# Altium PCB FIT_TDC_ADC.PcbDoc (part 8 of 10)
Units mm, origin at the board's own origin, x right, y up, seen from the top; angles counter-clockwise.
Board outline 89.38 x 69 mm, 8 copper layers (Top Layer, GND1, SIGNAL2, POWER3, POWER4, SIGNAL5, GND6, Bottom Layer), stack 1.028 mm thick; 495 components, 463 nets, 2013 pads, 1239 vias.
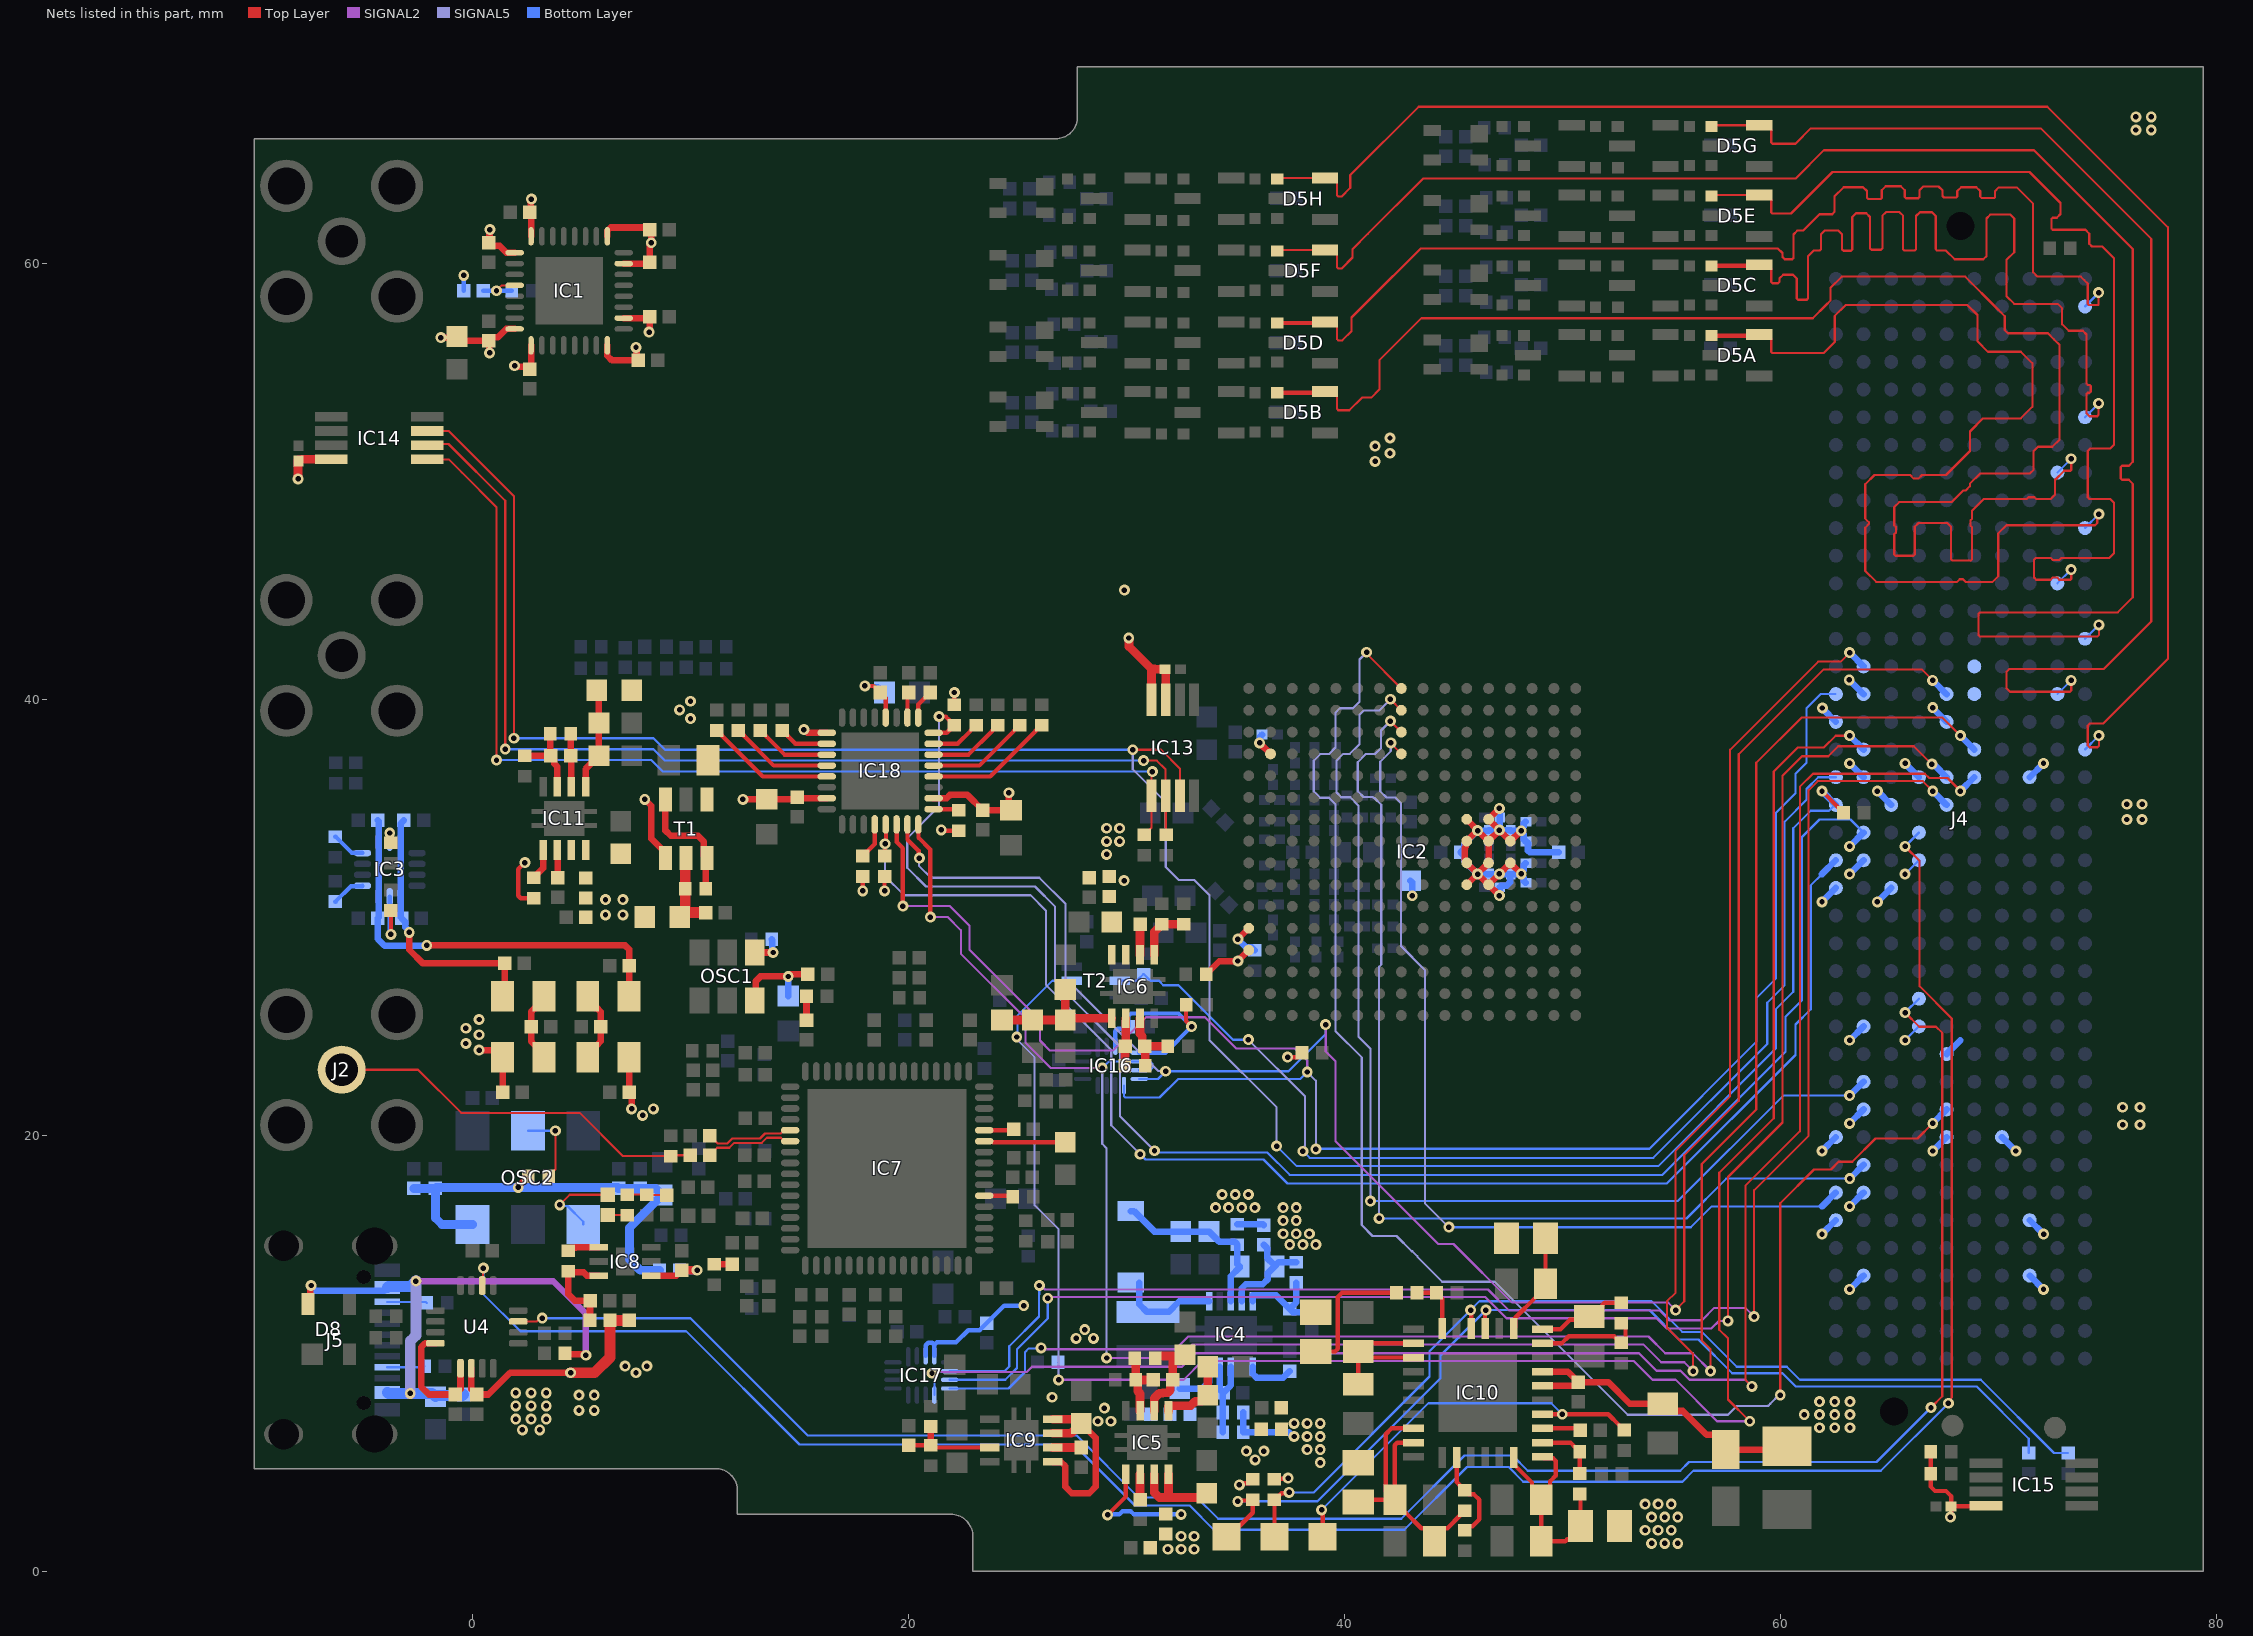
[diagram p14: the nets of this part, all layers, seen from the top]

## Via types
v1: diameter 0.5, hole 0.25, Top Layer to Bottom Layer, tented both sides, 1171 vias
v2: diameter 0.5, hole 0.25, Top Layer to Bottom Layer, tented bottom, 39 vias
v3: diameter 0.5, hole 0.25, Top Layer to Bottom Layer, 29 vias

## Nets (pads, with @x,y where several pads share a name; then routed paths per layer and width w, separated by ;. In a path a pad name is that pad's centre, name@x,y a point inside that pad or via, vN(x,y) a via of type N, cw(c..) or ccw(c..) an arc to the next point about the centre after c; other vN are vias at no path point) (continued)
GTY_RX_CH_P1: D5A.2 J4.a10 L25A.2 | length 49.4
  Top Layer w0.1: D5A.2@59.02,56.719 59.37,56.719 59.57,56.519 59.57,55.928 59.628,55.869 61.98,55.869 62.485,56.374 62.485,57.574 62.985,58.074 68.568,58.074 69.029,57.613 69.029,56.413 69.509,55.933 71.016,55.933 71.548,55.401 71.548,53.403 71.019,52.874 69.285,52.874 68.685,52.274 68.685,51.374 67.585,50.274 66.485,50.274 66.32,50.11 66.112,50.11 65.947,50.274 64.31,50.274 63.885,49.849 63.885,48.274 64.05,48.109 64.05,48.026 63.885,47.86 63.885,45.871 64.382,45.374 68.097,45.374 68.217,45.494 68.365,45.494 68.485,45.374 69.725,45.374 69.985,45.634 69.985,47.599 70.36,47.974 74.426,47.974 74.523,48.071 74.523,48.403 v1(74.6,48.479)
  Top Layer w0.2: L25A.2@56.712,56.669 58.97,56.669 D5A.2@59.02,56.719
  Bottom Layer w0.1: J4.a10@73.965,47.844 v1(74.6,48.479)
GTY_RX_CH_P2: D5B.2 J4.b8 L25B.2 | length 74
  Top Layer w0.1: D5B.2@39.1,54.1 39.45,54.1 39.65,53.9 39.65,53.309 39.709,53.25 40.219,53.25 40.796,53.826 41.226,53.826 41.597,54.197 41.597,55.542 43.525,57.469 61.48,57.469 62.085,58.074 62.285,58.274 62.285,58.857 62.802,59.374 68.468,59.374 69.926,57.916 70.126,57.716 70.285,57.557 70.285,56.921 70.431,56.774 72.268,56.774 72.533,56.509 ; 72.535,56.507 72.792,56.25 72.792,51.899 72.468,51.574 71.805,51.574 71.605,51.374 71.605,50.523 71.43,50.347 69.151,50.347 68.681,49.878 68.681,49.763 68.488,49.569 68.373,49.569 67.835,49.031 65.437,49.031 65.213,48.806 65.213,47.974 65.296,47.89 65.296,47.64 65.213,47.556 65.213,46.627 65.271,46.568 66.092,46.568 66.151,46.627 66.151,47.899 66.327,48.074 67.639,48.074 67.815,47.899 67.815,46.416 67.873,46.357 68.726,46.357 68.785,46.416 68.785,47.874 68.717,47.942 68.717,48.206 68.785,48.274 68.785,48.646 69.313,49.174 71.285,49.174 71.369,49.258 71.642,49.258 71.726,49.174 72.385,49.174 72.585,49.374 72.585,50.049 73.011,50.474 73.285,50.474 73.33,50.519 v1(73.33,51.019)
  Top Layer w0.2: L25B.2@36.916,54.05 39.05,54.05 D5B.2@39.1,54.1
  Bottom Layer w0.1: J4.b8@72.695,50.384 v1(73.33,51.019)
GTY_RX_CH_P3: D5C.2 J4.a6 L25C.2 | length 45.7
  Top Layer w0.1: D5C.2@59.02,59.919 59.37,59.919 59.57,59.719 59.57,59.128 59.628,59.069 59.886,59.069 59.945,59.128 59.945,59.29 60.121,59.465 60.568,59.465 60.744,59.29 60.744,58.372 60.802,58.314 61.198,58.314 61.257,58.372 61.257,60.305 61.526,60.574 61.792,60.574 61.851,60.633 61.851,61.314 62.026,61.49 62.645,61.49 62.821,61.314 62.821,60.621 62.88,60.562 63.226,60.562 63.285,60.621 63.285,62.108 63.461,62.284 63.929,62.284 64.105,62.108 64.105,60.663 64.163,60.604 64.611,60.604 64.67,60.663 64.67,62.161 64.846,62.337 65.446,62.337 65.621,62.161 65.621,60.63 65.68,60.571 66.156,60.571 66.215,60.63 66.215,62.156 66.391,62.332 66.944,62.332 67.12,62.156 67.12,60.636 67.178,60.578 67.581,60.578 67.984,60.174 69.301,60.174 69.442,60.316 69.442,62.045 69.618,62.221 70.543,62.221 70.718,62.045 70.718,60.496 70.364,60.142 70.364,58.475 70.716,58.124 72.709,58.124 72.914,57.918 72.914,57.194 73.213,56.896 73.858,56.896 74.034,56.72 74.034,54.468 74.093,54.409 74.168,54.409 74.227,54.351 74.227,54.107 74.168,54.048 74.093,54.048 74.034,53.989 74.034,53.107 74.167,52.974 74.526,52.974 74.585,53.033 v1(74.585,53.559)
  Top Layer w0.2: L25C.2@56.836,59.869 58.97,59.869 D5C.2@59.02,59.919
  Bottom Layer w0.1: J4.a6@73.965,52.924 74.585,53.544 v1(74.585,53.559)
GTY_RX_CH_P4: D5D.2 J4.a2 L25D.2 | length 52.4
  Top Layer w0.1: D5D.2@39.1,57.3 39.45,57.3 39.65,57.1 39.65,56.509 39.709,56.45 39.895,56.45 40.319,56.874 40.319,57.497 40.988,58.165 43.492,60.669 59.873,60.669 60.085,60.457 60.085,60.274 60.185,60.174 60.533,60.174 60.591,60.233 60.591,61.309 60.767,61.485 61.028,61.485 61.782,62.239 62.367,62.239 62.476,62.349 62.476,63.058 62.893,63.474 63.784,63.474 63.96,63.299 63.96,62.99 64.018,62.931 64.582,62.931 64.641,62.99 64.641,63.343 64.816,63.519 65.516,63.519 65.691,63.343 65.691,63.026 65.75,62.968 66.314,62.968 66.372,63.026 66.372,63.331 66.548,63.506 67.247,63.506 67.423,63.331 67.423,63.075 67.497,63.001 68.061,63.001 68.104,63.045 68.104,63.299 68.279,63.475 68.979,63.475 69.154,63.299 69.154,63.051 69.228,62.977 69.792,62.977 69.835,63.02 69.835,63.292 70.011,63.468 70.834,63.468 71.585,62.717 71.585,59.574 71.785,59.374 73.768,59.374 73.926,59.216 74.085,59.057 74.085,58.133 74.143,58.074 74.585,58.074 v1(74.585,58.639)
  Top Layer w0.2: L25D.2@36.916,57.25 39.05,57.25 D5D.2@39.1,57.3
  Bottom Layer w0.1: J4.a2@73.965,58.004 74.585,58.624 v1(74.585,58.639)
GTY_RX_CH_P5: D5E.2 J4.b12 L25E.2 | length 46.7
  Top Layer w0.1: L25E.2@56.836,63.069 56.886,63.119 D5E.2@59.02,63.119 59.37,63.119 59.57,62.919 59.57,62.328 59.628,62.269 60.48,62.269 62.385,64.174 71.42,64.174 72.84,62.755 72.84,62.249 72.664,62.073 72.478,62.073 72.42,62.015 72.42,61.58 72.478,61.521 73.984,61.521 74.159,61.346 74.159,60.883 74.284,60.758 74.751,60.758 75.295,60.213 75.295,51.667 75.119,51.491 74.202,51.491 74.085,51.374 74.085,49.257 74.168,49.174 75.119,49.174 75.295,48.999 75.295,46.684 75.085,46.474 72.885,46.474 72.785,46.374 72.485,46.374 72.385,46.474 71.712,46.474 71.626,46.388 71.626,45.576 71.728,45.474 72.385,45.474 72.485,45.574 72.685,45.574 72.785,45.474 73.285,45.474 73.33,45.519 v1(73.33,45.939)
  Bottom Layer w0.1: J4.b12@72.695,45.304 v1(73.33,45.939)
GTY_RX_CH_P6: D5F.2 J4.a14 L25F.2 | length 76.4
  Top Layer w0.1: L25F.2@36.916,60.55 36.966,60.6 D5F.2@39.1,60.6 39.45,60.6 39.65,60.4 39.65,59.809 39.709,59.75 39.865,59.75 40.365,60.25 40.365,60.638 41.063,61.335 43.596,63.869 60.68,63.869 61.985,65.174 71.622,65.174 76.153,60.643 76.153,50.879 75.978,50.703 75.659,50.703 75.6,50.645 75.6,50.115 75.659,50.056 75.965,50.056 76.153,49.868 76.153,44.666 75.462,43.974 69.139,43.974 69.08,43.916 69.08,42.933 69.139,42.874 74.541,42.874 74.6,42.933 v1(74.6,43.399)
  Bottom Layer w0.1: J4.a14@73.965,42.764 v1(74.6,43.399)
GTY_RX_CH_P7: D5G.2 J4.b16 L25G.2 | length 53.6
  Top Layer w0.1: L25G.2@56.836,66.269 56.886,66.319 D5G.2@59.02,66.319 59.37,66.319 59.57,66.119 59.57,65.528 59.628,65.469 60.68,65.469 61.385,66.174 71.938,66.174 77.006,61.107 77.006,43.559 74.821,41.374 70.494,41.374 70.369,41.25 70.369,40.48 70.518,40.331 73.271,40.331 73.33,40.39 v1(73.33,40.859)
  Bottom Layer w0.1: J4.b16@72.695,40.224 v1(73.33,40.859)
GTY_RX_CH_P8: D5H.2 J4.a18 L25H.2 | length 73.5
  Top Layer w0.1: L25H.2@36.916,63.85 36.966,63.9 D5H.2@39.1,63.9 39.45,63.9 39.65,63.7 39.65,63.109 39.709,63.05 39.865,63.05 40.265,63.45 40.265,64.038 43.396,67.169 72.231,67.169 77.763,61.637 77.763,41.832 74.805,38.874 74.185,38.874 74.085,38.774 74.085,37.874 74.171,37.788 74.541,37.788 74.6,37.847 v1(74.6,38.319)
  Bottom Layer w0.1: J4.a18@73.965,37.684 v1(74.6,38.319)
HA14_N: J4.j16 | length 0.9
  Bottom Layer w0.3: v1(63.15,40.879) J4.j16@63.805,40.224
HA14_P: IC16.6 IC16.7 IC18.16 J4.j15 | length 99.3
  Top Layer w0.1: v1(55.985,9.174) 55.985,9.974 54.785,11.174 54.785,12.374 55.185,12.774 55.185,19.274 57.685,21.774 57.685,37.674 61.725,41.715 62.755,41.715 v1(63.17,42.129)
  Top Layer w0.2: IC18.16@20.45,34.25 20.456,34.244 20.456,33.644 21,33.1 v1(21,30)
  SIGNAL2 w0.1: v1(21,30) 21.8,30 22.4,29.4 22.4,28.317 25.364,25.353 25.364,24.236 26.526,23.074 v1(28.885,23.074) ; v1(29.085,9.774) 32.385,9.774 33.009,10.398 53.702,10.398 54.522,9.578 55.581,9.578 v1(55.985,9.174)
  SIGNAL5 w0.1: v1(28.885,23.074) 28.885,19.6 29.085,19.4 v1(29.085,9.774)
  Bottom Layer w0.1: v1(28.885,23.074) 29.185,23.374 IC16.6@30.585,23.374 31.085,23.374 31.185,23.274 31.185,23.074 31.085,22.974 IC16.7@30.585,22.974
  Bottom Layer w0.3: v1(63.17,42.129) J4.j15@63.805,41.494
HA15_N: J4.f17 | length 0.9
  Bottom Layer w0.3: v1(66.98,39.608) 66.98,39.589 J4.f17@67.615,38.954
HA15_P: IC16.8 IC18.15 J4.f16 | length 91.8
  Top Layer w0.1: v1(55.185,11.974) 55.585,12.374 55.585,19.074 58.085,21.574 58.085,37.474 61.973,41.362 66.468,41.362 v1(66.973,40.857)
  Top Layer w0.2: IC18.15@19.95,34.25 19.956,34.244 19.956,33.544 20.461,33.039 20.461,32.739 v1(20.5,32.7)
  SIGNAL2 w0.1: v1(39.135,25.065) 39.135,23.834 39.585,23.384 39.585,19.715 44.3,15 45,15 47.686,12.314 54.845,12.314 v1(55.185,11.974)
  SIGNAL5 w0.1: v1(20.5,32.7) 20.476,32.676 20.476,32.359 21.034,31.8 26,31.8 27.197,30.603 27.197,27.197 31.452,22.942 31.778,22.942 v1(31.793,22.927)
  Bottom Layer w0.1: IC16.8@30.585,22.574 31.441,22.574 v1(31.793,22.927) 37.427,22.927 39.135,24.635 v1(39.135,25.065)
  Bottom Layer w0.3: v1(66.973,40.857) 66.982,40.857 J4.f16@67.615,40.224
HA16_N: J4.e16
HA16_P: J4.e15
HA17_CC_N: J4.k17 | length 0.9
  Bottom Layer w0.3: v1(61.92,39.589) 61.92,39.569 J4.k17@62.535,38.954
HA17_CC_P: IC16.9 IC18.14 J4.k16 | length 81.5
  Top Layer w0.2: IC18.14@19.45,34.25 19.456,34.244 19.456,33.444 19.743,33.157 v1(19.743,30.5)
  SIGNAL2 w0.1: v1(19.743,30.5) 21.9,30.5 22.8,29.6 22.8,28.5 26.027,25.273 26.027,24.336 26.488,23.874 29.374,23.874 30.9,25.4 33.6,25.4 35.026,23.974 37.726,23.974 38.287,23.413 v1(38.287,22.894)
  SIGNAL5 w0.1: v1(38.287,22.894) 38.685,22.496 v1(38.685,19.354)
  Bottom Layer w0.1: IC16.9@29.885,22.274 29.885,21.779 29.943,21.72 31.515,21.72 32.369,22.574 37.968,22.574 v1(38.287,22.894) ; v1(38.685,19.354) 38.706,19.374 53.985,19.374 58.885,24.274 58.885,26.274 59.785,27.174 59.785,34.774 60.685,35.674 60.685,36.574 61.185,37.074 61.185,39.574 61.835,40.224 J4.k16@62.521,40.224
HA18_N: J4.j19 | length 0.9
  Bottom Layer w0.3: v2(63.17,37.049) J4.j19@63.805,36.414
HA18_P: J4.j18 R93.2 T2.5 | length 91.2
  Top Layer w0.1: v1(58.585,6.874) 57.585,7.874 57.585,10.674 57.185,11.074 57.185,18.274 59.685,20.774 59.685,36.674 60.785,37.774 61.985,37.774 62.53,38.319 v1(63.17,38.319)
  SIGNAL2 w0.1: v1(26.885,8.774) 32.62,8.774 33.479,9.633 53.267,9.633 54.126,8.774 55.185,8.774 57.085,6.874 v1(58.585,6.874)
  SIGNAL5 w0.1: v1(24.964,24.499) 24.964,24.395 25.785,23.574 25.785,16.774 26.885,15.674 v1(26.885,8.774)
  Bottom Layer w0.1: v1(24.964,24.499) 24.991,24.526 24.991,25.469 26.597,27.074 T2.5@27.485,27.074 ; R93.2@26.855,9.574 26.885,9.544 v1(26.885,8.774)
  Bottom Layer w0.3: v1(63.17,38.319) J4.j18@63.805,37.684
HA19_N: IC17.6 J4.f20 | length 73.1
  Top Layer w0.1: v1(58.785,11.674) 58.785,17.474 61.285,19.974 61.285,35.815 61.705,36.236 66.523,36.236 v1(66.98,35.779)
  SIGNAL2 w0.1: v1(26,13.1) 26.074,13.1 26.259,12.915 46.58,12.915 47.537,11.959 54.441,11.959 54.89,11.51 56.396,11.51 56.96,12.074 58.385,12.074 v1(58.785,11.674)
  Bottom Layer w0.1: IC17.6@21.885,9.174 24.409,9.174 24.621,9.386 24.621,10.31 25.985,11.674 25.985,12.681 26,12.696 v1(26,13.1)
  Bottom Layer w0.3: v1(66.98,35.779) J4.f20@67.615,35.144
HA19_P: IC17.7 J4.f19 | length 73.8
  Top Layer w0.1: v1(57.585,11.474) 57.585,18.074 60.085,20.574 60.085,36.474 60.985,37.374 62.185,37.374 62.645,37.834 66.114,37.834 v1(66.936,37.012)
  SIGNAL2 w0.1: v1(26.385,12.515) 26.444,12.574 46.45,12.574 47.425,11.6 54.3,11.6 54.766,11.134 56.834,11.134 57.174,11.474 v1(57.585,11.474)
  Bottom Layer w0.1: IC17.7@21.885,8.774 24.434,8.774 24.976,9.316 24.976,10.18 26.385,11.589 v1(26.385,12.515)
  Bottom Layer w0.3: v1(66.936,37.012) 66.974,36.974 67.056,36.974 J4.f19@67.615,36.414
HA20_N: IC17.9 J4.e19 | length 77.2
  Top Layer w0.1: v1(58.685,8.474) 58.385,8.774 58.385,17.674 60.885,20.174 60.885,35.974 61.485,36.574 66.618,36.574 66.818,36.374 67.655,36.374 v1(68.25,35.779)
  SIGNAL2 w0.1: v1(21.076,9.074) 21.139,9.138 25.43,9.138 25.667,9.374 32.54,9.374 33.16,9.994 53.506,9.994 54.312,9.188 55.406,9.188 55.819,8.774 58.385,8.774 v1(58.685,8.474)
  Bottom Layer w0.1: v1(21.076,9.074) 21.076,8.983 21.185,8.874 IC17.9@21.185,8.074
  Bottom Layer w0.3: v1(68.25,35.779) J4.e19@68.885,36.414
HA20_P: IC17.8 J4.e18 | length 77.7
  Top Layer w0.1: v1(56.785,9.174) 56.785,10.174 56.385,10.574 56.385,18.674 58.885,21.174 58.885,37.074 60.967,39.157 67.412,39.157 v1(68.25,38.319)
  SIGNAL2 w0.1: v1(26.085,10.234) 26.145,10.174 32.25,10.174 32.835,10.759 53.941,10.759 54.711,9.989 55.97,9.989 v1(56.785,9.174)
  Bottom Layer w0.1: IC17.8@21.885,8.374 24.585,8.374 25.342,9.132 25.342,10.044 25.513,10.215 26.066,10.215 v1(26.085,10.234)
  Bottom Layer w0.3: v1(68.25,38.319) J4.e18@68.885,37.684
HA21_N: IC13.3 IC14.3 J4.k20 R78.1 | length 110.7
  Top Layer w0.1: IC14.3@-2.08,52.294 -2.075,52.3 -1.1,52.3 1.9,49.3 v1(1.9,38.2) ; v1(30.285,37.674) 31.585,37.674 32.445,36.814 IC13.3@32.445,35.569
  Top Layer w0.2: v1(61.9,35.779) 62.695,34.984 62.885,34.794 R78.1@62.885,34.774
  SIGNAL5 w0.1: v1(30.285,37.674) 30.285,36.774 31.795,35.264 31.795,32.296 32.391,31.7 33.1,31.7 33.805,30.995 33.805,24.354 36.885,21.274 v1(36.885,19.492)
  Bottom Layer w0.1: v1(1.9,38.2) 8.3,38.2 8.826,37.674 v1(30.285,37.674) ; v1(36.885,19.492) 37.803,18.574 54.385,18.574 59.785,23.974 59.785,25.774 60.585,26.574 60.585,34.074 61.385,34.874 62.223,34.874 62.493,35.144 J4.k20@62.535,35.144
  Bottom Layer w0.3: v1(61.9,35.779) J4.k20@62.535,35.144
HA21_P: J4.k19 R94.2 T2.2 | length 51.1
  SIGNAL5 w0.1: v1(35.585,24.374) 38.185,21.774 38.185,19.518 38.169,19.502 38.169,19.336 v1(38.092,19.26)
  Bottom Layer w0.1: T2.2@29.685,27.074 30.466,27.074 30.525,27.133 30.525,27.134 30.765,27.374 R94.2@30.785,27.374 30.805,27.374 31.045,27.134 31.045,27.133 31.103,27.074 31.485,27.074 31.685,26.874 32.385,26.874 34.885,24.374 v1(35.585,24.374) ; v1(38.092,19.26) 38.398,18.954 54.164,18.954 59.385,24.174 59.385,26.074 60.185,26.874 60.185,34.374 61.185,35.374 61.185,35.874 61.725,36.414 J4.k19@62.535,36.414
HA22_N: J4.j22 | length 0.9
  Bottom Layer w0.3: v2(63.17,31.969) J4.j22@63.805,32.604
HA22_P: IC18.24 J4.j21 R4.1 | length 76.3
  Top Layer w0.2: IC18.24@21.15,38.45 21.75,38.45 21.89,38.59 21.89,38.61 R4.1@22.08,38.8 ; v1(21.4,39.2) 21.7,39.2 21.89,39.01 21.89,38.99 R4.1@22.08,38.8 ; R4.1@22.1,38.8 R4.1@22.08,38.8
  SIGNAL5 w0.1: v1(21.4,39.2) 21.4,35.079 19.94,33.619 19.94,32.26 20.8,31.4 25.8,31.4 26.726,30.474 26.726,27.04 29.7,24.065 29.7,20.862 v1(31.283,19.279)
  Bottom Layer w0.1: v1(31.283,19.279) 31.36,19.203 31.533,19.203 31.542,19.194 36.465,19.194 37.485,18.174 54.585,18.174 60.218,23.807 60.218,25.414 60.985,26.18 60.985,33.674 61.785,34.474 63.205,34.474 J4.j21@63.805,33.874
  Bottom Layer w0.3: v1(63.17,33.239) J4.j21@63.805,33.874
HA23_N: J4.k23 | length 0.9
  Bottom Layer w0.3: v2(61.9,30.699) J4.k23@62.535,31.334
HA23_P: IC18.13 J4.k22 R3.1 | length 66.7
  Top Layer w0.2: R3.1@18.9,32.8 18.922,32.822 v1(18.922,33.36) 18.969,33.407 18.969,34.231 IC18.13@18.95,34.25
  SIGNAL5 w0.1: v1(18.922,33.36) 18.922,31.878 19.8,31 25.6,31 26.3,30.3 26.3,26.9 29.3,23.9 29.3,20.443 v1(30.625,19.118)
  Bottom Layer w0.1: v1(30.625,19.118) 30.63,19.118 30.869,18.879 36.28,18.879 37.385,17.774 54.785,17.774 60.685,23.674 60.685,25.074 61.385,25.774 61.385,31.454 61.9,31.969
  Bottom Layer w0.3: 61.9,31.969 J4.k22@62.535,32.604
HB07_N: J4.j28 | length 0.9
  Bottom Layer w0.3: v2(63.17,24.349) J4.j28@63.805,24.984
HB08_N: J4.f29 | length 0.9
  Bottom Layer w0.3: J4.f29@67.615,23.714 68.25,24.349
HB10_N: J4.k32 | length 0.9
  Bottom Layer w0.3: v2(61.9,19.269) J4.k32@62.535,19.904
HB11_N: J4.j31 | length 0.9
  Bottom Layer w0.3: v2(63.17,20.539) J4.j31@63.805,21.174
HB11_P: IC2.B8 J4.j30 | length 51.1
  Top Layer w0.1: v1(42.104,39.989) 42.104,39.985 IC2.B8@42.604,39.485
  SIGNAL5 w0.1: v1(41.185,16.974) 41.185,23.974 40.643,24.516 40.643,35.11 40.26,35.493 39.842,35.493 39.627,35.709 39.627,37.176 39.935,37.484 40.243,37.484 40.685,37.926 40.685,39.274 40.885,39.474 41.589,39.474 v1(42.104,39.989)
  Bottom Layer w0.1: v1(41.185,16.974) 55.285,16.974 60.12,21.809 v1(63.17,21.809)
  Bottom Layer w0.3: v1(63.17,21.809) J4.j30@63.805,22.444
HB12_N: J4.f32 | length 0.9
  Bottom Layer w0.3: v2(66.98,19.269) J4.f32@67.615,19.904
HB12_P: IC2.A8 J4.f31 | length 72.7
  Top Layer w0.1: v1(41.015,42.144) 41.015,42.074 IC2.A8@42.604,40.485 ; v1(59.985,8.074) 59.985,16.874 61.534,18.424 62.31,18.424 62.66,18.774 63.285,18.774 64.354,19.843 66.284,19.843 v1(66.98,20.539)
  SIGNAL5 w0.1: v1(41.015,42.144) 40.685,41.814 40.685,39.874 40.385,39.574 39.785,39.574 39.585,39.374 39.585,37.774 39.285,37.474 38.885,37.474 38.585,37.174 38.585,35.774 38.885,35.474 39.285,35.474 39.584,35.175 39.584,24.765 40.785,23.565 40.785,15.874 41.285,15.374 42.385,15.374 43.085,14.674 43.107,14.674 43.341,14.44 43.341,14.418 44.485,13.274 46.885,13.274 52.985,7.174 57.585,7.174 57.985,7.574 59.419,7.574 59.519,7.674 59.526,7.674 59.926,8.074 v1(59.985,8.074)
  Bottom Layer w0.3: v1(66.98,20.539) J4.f31@67.615,21.174
HB14_N: J4.k35 | length 0.9
  Bottom Layer w0.3: v1(61.9,15.459) J4.k35@62.535,16.094
HB14_P: IC2.D8 J4.k34 | length 43.1
  Top Layer w0.1: v1(42.121,37.99) 42.121,37.968 IC2.D8@42.604,37.485
  SIGNAL5 w0.1: v1(42.121,37.99) 42.121,37.611 41.638,37.127 41.638,35.774 41.927,35.485 42.324,35.485 42.585,35.224 42.585,28.674 43.685,27.574 43.685,16.874 v1(44.785,15.774)
  Bottom Layer w0.1: v1(44.785,15.774) 55.885,15.774 56.84,16.729 61.9,16.729
  Bottom Layer w0.3: 61.9,16.729 J4.k34@62.535,17.364
HB15_N: J4.j34 | length 0.9
  Bottom Layer w0.3: v2(63.17,16.729) J4.j34@63.805,17.364
HB15_P: IC2.C8 J4.j33 | length 48.4
  Top Layer w0.1: v1(42.104,38.989) 42.104,38.985 IC2.C8@42.604,38.485
  SIGNAL5 w0.1: v1(41.585,16.174) 41.585,27.718 41.685,27.818 41.685,35.151 41.371,35.465 41.341,35.465 41.298,35.507 40.865,35.507 40.601,35.771 40.601,37.107 40.972,37.478 41.399,37.478 41.671,37.749 41.671,38.556 v1(42.104,38.989)
  Bottom Layer w0.1: v1(41.585,16.174) 55.685,16.174 57.511,18 v1(63.171,18)
  Bottom Layer w0.3: v1(63.171,18) J4.j33@63.805,18.634
HB18_N: J4.j37 | length 0.9
  Bottom Layer w0.3: v2(63.17,12.919) J4.j37@63.805,13.554
LA14_N: J4.c19 | length 0.9
  Bottom Layer w0.3: J4.c19@71.425,36.414 v2(72.06,37.049)
LA15_N: J4.h20 | length 0.9
  Bottom Layer w0.3: v2(64.44,35.779) J4.h20@65.075,35.144
LA16_N: J4.g19 | length 0.9
  Bottom Layer w0.3: v2(65.71,37.049) J4.g19@66.345,36.414
LA19_N: J4.h23 | length 0.9
  Bottom Layer w0.3: v2(64.44,30.699) J4.h23@65.075,31.334
LA20_N: J4.g22 | length 0.9
  SIGNAL2 w0.1: v1(65.706,31.969) v1@65.71,31.974
  Bottom Layer w0.1: v1(65.706,31.969) 65.71,31.969 J4.g22@66.345,32.604
LA20_P: J4.g21 U4.2 | length 104
  Top Layer w0.1: U4.2@0.45,13.1 0.475,13.125 0.475,13.875 v1(0.5,13.9) ; v2(65.71,33.239) 66.378,32.571 66.378,26.822 67.85,25.35 67.85,7.958 67.7,7.808 v1(67.7,7.7)
  Bottom Layer w0.1: v1(0.5,13.9) 0.5,12.7 2.2,11 9.8,11 14.997,5.803 27.591,5.803 30.387,3.007 32.893,3.007 34,1.9 42.745,1.9 45.619,4.774 47.526,4.774 48.2,4.1 55.5,4.1 56,4.6 64.6,4.6 v1(67.7,7.7) ; v2(65.71,33.239) J4.g21@66.345,33.874